# KiCad board ardumower mega shield svn.kicad_pcb (continued)
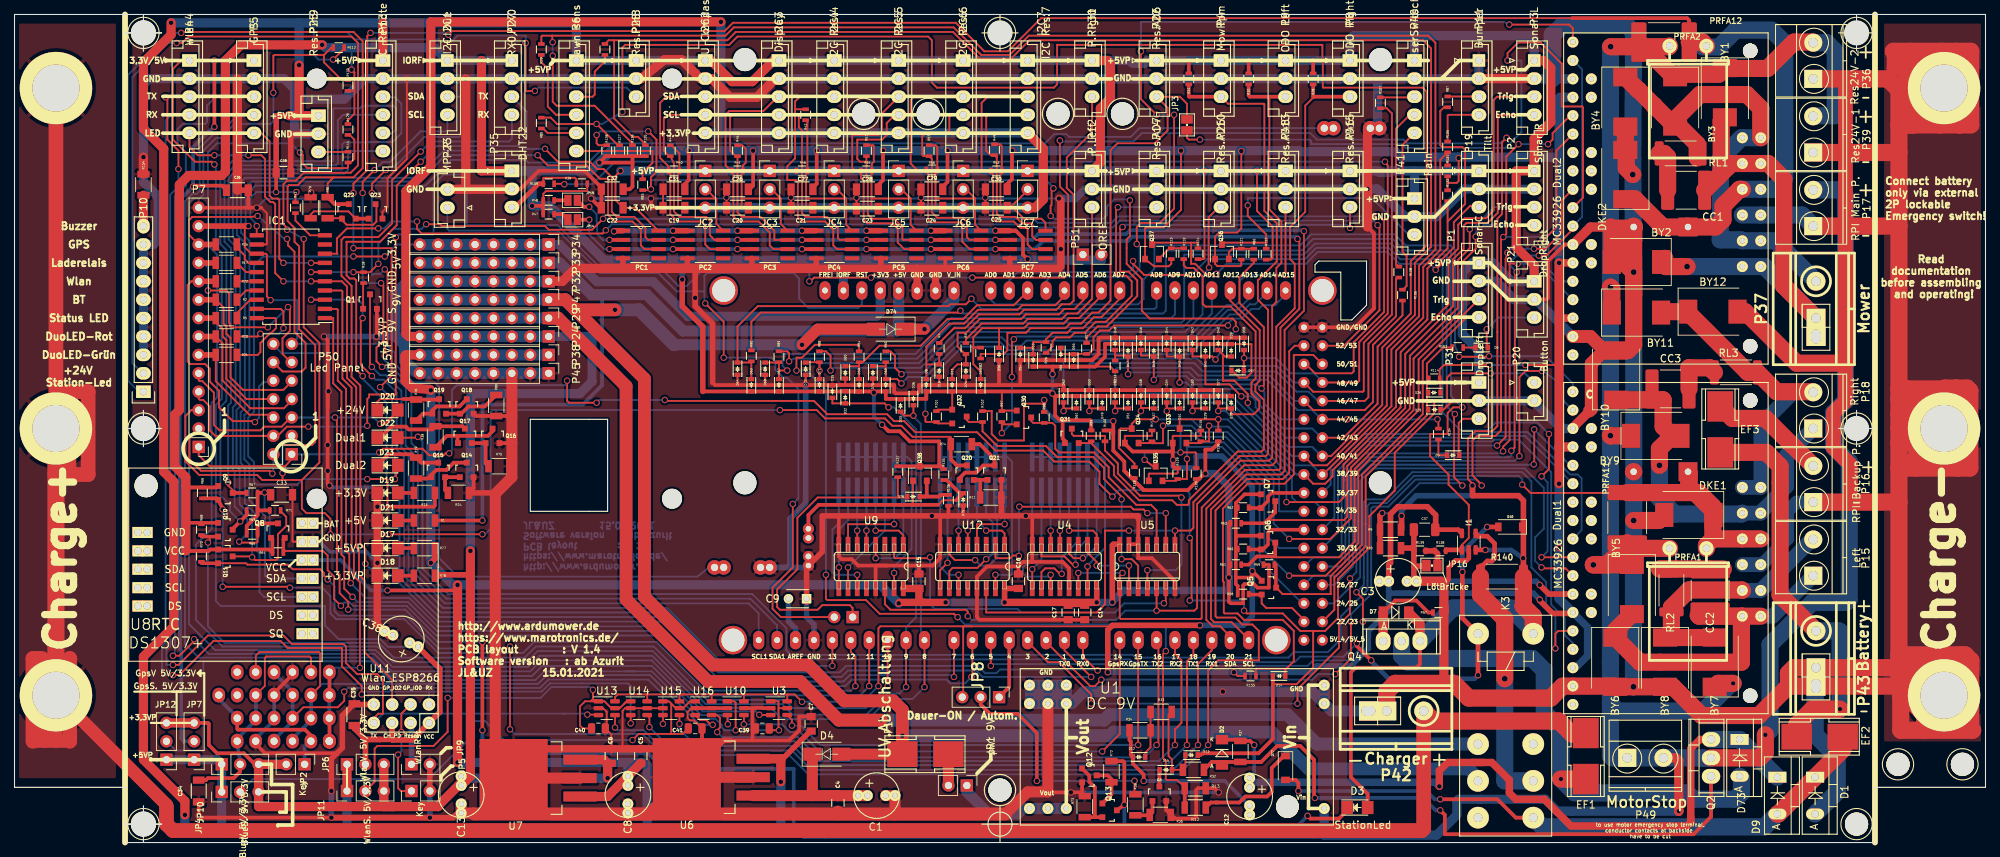
[diagram p0: board, top side]
## Routing (per net, layer and track width the routed paths; a pad name or vN(x,y) marks a point on that pad's centre or on a via; arc(x,y) is an arc through that point) (continued)
Net-(Dual2-Pad9): length 94.3
  Top w0.254: v1(205.87,107.95) 205.87,108.97 207.34,110.44 210.41,110.44 213.36,107.49 213.36,101.6 216.15,101.6 216.28,101.47 216.28,89.03 Dual2.9 ; v1(163.45,97.03) 161.93,97.03 161.67,97.28 JP3.2
  Bottom w0.254: v1(205.87,107.95) 207.77,107.95 207.77,98.04 205.61,95.88 191.77,95.88 191.26,96.39 178.82,96.39 178.82,96.77 178.56,97.03 v1(163.45,97.03)
Net-(EF2-Pad2): length 56.4
  Top w2.358: P43.2 243.46,34.16 243.46,51.94 241.55,53.85 EF3.1 ; v2(251.71,18.42) 247.9,18.42 245.75,16.26 EF2.2
  Bottom w2.358: P43.2 251.59,29.21 251.71,29.08 v2(251.71,18.42)
Net-(EF3-Pad2): length 16.2
  Top w2.358: EF3.2 236.86,58.55 241.43,58.55 245.11,54.86 245.16,54.86 P16.2
Net-(F1-Pad1): length 5.3
  Top w1.524: 129.03,12.45 F1.1 ; F1.1 JP1.2 ; F1.1 128.78,12.83
Net-(IC1-Pad10): length 5.9
  Top w0.254: R43.2 38.73,85.85 40.77,83.82 IC1.10
Net-(IC1-Pad13): length 277
  Top w0.254: 31.75,85.09 31.75,82.17 32.64,81.28 IC1.13 34.67,81.28 34.8,81.15 34.8,75.37 v1(35.31,74.87)
  Top w0.762: v1(32.26,85.09) P7.13
  Bottom w0.254: 38.39,68.68 P50.13 ; P50.13 38.99,69.6 38.99,74.87 v1(35.31,74.87) ; P50.13 51.18,68.83 52.45,67.56 52.45,66.04 54.99,63.5 57.98,63.5 58.55,62.93 58.55,39.24 61.09,36.7 94.17,36.7 95.76,37.97 SP2.2 ; v1(32.26,85.09) 31.88,85.47 31.88,89.34 33.21,90.68 56.64,90.68 60.2,94.23 70.48,94.23 70.87,93.85 79.12,93.85 81.79,96.52 142.11,96.52 143.38,97.79 145.03,97.79 145.42,97.41 153.92,97.41 155.12,98.6 SP1.2
  Bottom w1.016: SP2.2 SP2.2
  Bottom w1.27: 181.61,98.55 180.35,98.55
Net-(IC1-Pad14): length 4.3
  Top w0.254: R25.1 30.66,82.12 31.75,81.03 31.75,80.52 32.26,80.01 IC1.14
Net-(IC1-Pad15): length 3.3
  Top w0.254: R17.1 31.93,78.74 IC1.15
Net-(IC1-Pad16): length 2.7
  Top w0.254: IC1.16 R22.1
Net-(IC1-Pad17): length 3.3
  Top w0.254: R2.1 31.93,76.2 IC1.17
Net-(IC1-Pad18): length 3.3
  Top w0.254: 32.51,74.93 30.66,73.08 R5.1
Net-(IC1-Pad19): length 13.1
  Top w0.254: v1(33.91,70.23) 33.53,69.85 R20.1 ; v1(37.08,70.99) 37.08,73.28 36.7,73.66 IC1.19
  Bottom w0.254: v1(33.91,70.23) 36.45,70.23 37.08,70.87 v1(37.08,70.99)
Net-(IC1-Pad20): length 11.7
  Top w0.254: IC1.20 35.94,72.39 36.07,72.26 36.07,70.99 35.43,70.36 35.31,70.36 33.91,68.96 33.91,67.69 33.53,67.31 R21.1
Net-(JP1-Pad1): length 16.2
  Bottom w1.524: JP1.1 131.32,6.99 134.37,3.94 138.3,3.94 139.06,4.7 U1.2 U1.2 U1.2
Net-(JP2-Pad1): length 21.2
  Top w0.508: U2.Key 30.71,15.7 30.84,15.57 40.06,15.57 40.87,14.76 U2.Key ; 40.89,14.1 40.89,14.6
  Bottom w0.508: 30.73,17.27 28.19,19.81 28.19,20.45 ; 40.89,14.1 40,13.34 JP2.1
Net-(JP5-Pad1): length 14.9
  Top w0.254: v1(52.9,12.13) 52.9,7.49 53.28,7.11 JP5.1 ; v1(53.34,15.24) 53.34,17.78 U11.GP_0
  Bottom w0.254: 53.34,12.57 v1(52.9,12.13) 53.34,12.57 ; 53.34,12.57 v1(53.34,15.24)
Net-(JP8-Pad2): length 32.4
  Top w0.254: R36.2 154.43,6.78 v1(154.43,8.51)
  Top w0.48: 134.49,17.78 138.3,17.78 140.97,15.11 v1(140.97,8.51)
  Top w0.508: JP8.2 133.22,19.05 134.49,17.78
  Bottom w0.254: v1(140.97,8.51) v1(154.43,8.51)
Net-(JP9-Pad1): length 5.8
  Bottom w0.762: U11.Rese 54.74,16.38 JP9.1
Net-(JP14-Pad2): length 2.2
  Top w0.508: JP14.2 75.55,86.74 R47.2
Net-(JP15-Pad2): length 1.9
  Top w0.508: JP15.2 R48.2
Net-(JP16-Pad1): length 3.5
  Top w0.762: R139.1 R138.2 196.22,39.89 JP16.1
Net-(P5-Pad3): length 176.7
  Top w0.254: v1(21.84,25.78) 22.73,25.78 24.77,27.81 v1(24.77,28.07) ; v1(102.7,17.63) 102.74,17.59 U3.3
  Bottom w0.254: P5.3 27.77,102.95 26.54,101.73 26.54,99.48 26.26,99.2 23.19,99.2 22.48,98.49 22.48,96.39 23.62,95.25 23.62,90.68 22.1,89.15 22.1,26.03 v1(21.84,25.78) ; v1(24.77,28.07) 26.8,26.03 49.6,26.03 52.01,23.62 71.12,23.62 72.64,25.15 87.84,25.15 94.89,18.1 102.24,18.1 v1(102.7,17.63)
Net-(P5-Pad4): length 162.8
  Top w0.254: U10.3 98.3,16.38 v1(98.36,16.32)
  Bottom w0.254: 98.17,17.53 98.11,17.59 94.68,17.59 87.88,24.38 87.12,24.38 ; 98.17,17.53 98.36,17.34 v1(98.36,16.32) ; 98.17,17.53 97.09,17.53 ; 87.12,24.38 87.25,24.38 ; 87.12,24.38 72.77,24.38 71.37,22.99 51.93,22.99 49.39,25.53 25.4,25.53 23.5,27.43 23.5,88.52 24.51,89.53 25.15,89.53 25.53,89.92 25.53,95.88 27.56,97.92 28.32,97.92 30.85,100.45 P5.4
Net-(P10-Pad1): length 180.3
  Top w0.254: v1(22.99,111.76) 23.11,111.89 46.74,111.89 48.01,110.62 48.01,93.09 46.74,91.82 44.01,91.82 ; 26.16,57.15 P7.2 ; P7.2 24.13,55.88 24.13,52.9 25.72,51.31 35.18,51.31 v1(35.56,50.93) ; P7.2 26.04,57.15 ; 44.01,91.82 43.18,91 R81.1 ; 44.01,91.82 40.13,91.82 39.05,90.74 37.85,90.74 37.66,90.55 37.66,85.79 38.61,84.84 38.61,82.93 39.24,82.3 39.24,70.87 41.47,68.64 41.47,55.31 41.02,54.86 36.58,54.86 35.69,53.97 P50.2
  Top w0.508: R81.1 44.14,88.12 Q22.3
  Bottom w0.254: v1(35.56,50.93) 35.69,51.05 P50.2 ; v1(22.99,111.76) 21.46,111.76 15.62,105.92 15.62,63.75 17.14,62.23 P10.1
Net-(P10-Pad2): length 300.1
  Top w0.254: v1(22.35,110.36) 23.11,110.36 24,111.25 46.48,111.25 47.37,110.36 47.37,93.47 46.36,92.46 39.88,92.46 38.8,91.38 37.59,91.38 37.08,90.87 37.08,85.34 37.59,84.84 v1(37.59,84.58) ; v1(51.56,42.55) v1(64.52,42.55) ; v1(39.88,83.31) 39.88,71.12 42.04,68.96 42.04,52.45 39.62,50.04 ; P7.3 24.38,59.69 23.56,58.86 23.56,52.64 25.46,50.74 33.46,50.74 34.16,50.04 36.96,50.04 ; R74.1 129.11,55.93 129.03,56.01 123.83,56.01 122.3,57.53 121.03,57.53 120.02,58.55 111.76,58.55 110.62,59.69 v1(105.54,59.69) ; v1(36.96,50.99) 36.96,50.04 ; 36.96,50.04 39.62,50.04 ; 39.62,50.04 39.62,46.1 40.26,45.47 42.8,45.47 43.56,44.7 v1(43.56,42.55)
  Top w0.508: Q20.3 129.94,52.05 129.11,52.89 R74.1
  Bottom w0.254: v1(43.56,42.55) v1(51.56,42.55) ; v1(105.54,59.69) 65.91,59.69 65.66,59.44 65.66,43.31 64.9,42.55 v1(64.52,42.55) ; v1(36.96,50.99) 36.96,55.12 37.97,56.13 P50.3 ; v1(22.35,110.36) 20.96,110.36 16.26,105.66 16.26,66.17 17.65,64.77 P10.2 ; v1(39.88,83.31) v1(37.59,84.58)
Net-(P10-Pad10): length 4.3
  Top w1.27: 17.78,89.36 P10.10
Net-(P44-Pad3): length 157.1
  Top w0.254: U11.TX 49.53,17.14 50.17,17.78 50.8,17.78 50.8,22.48 50.04,23.24 47.24,23.24 45.72,24.77 45.72,27.05 45.38,27.39 38.27,27.39 37.08,28.58 26.67,28.58 22.61,24.51 v1(21.84,24.51) ; v1(22.61,92.96) 22.61,95.5 21.08,97.03 21.08,102.62 v1(20.83,102.87) ; v1(78.99,17.65) 80.46,17.65 U13.3
  Bottom w0.254: v1(20.83,102.87) 20.83,102.95 P44.3 ; U11.TX 50.8,17.78 75.82,17.78 ; v1(78.99,17.65) 78.87,17.78 75.82,17.78 ; 75.82,17.78 75.95,17.78 ; v1(22.61,92.96) 22.61,90.55 21.46,89.41 21.46,27.05 20.96,26.54 20.96,24.51 v1(21.84,24.51)
Net-(P44-Pad4): length 161
  Top w0.254: v1(84.96,16.45) 84.97,16.45 U14.3 ; v1(21.84,23.11) 22.73,23.11 27.43,27.81 36.7,27.81 37.67,26.85 45.1,26.85 45.15,26.8 45.15,24.32 47.88,21.59 v1(47.88,20.45)
  Bottom w0.254: P44.4 21.58,100.45 20.83,99.69 20.83,27.56 20.32,27.05 20.32,23.11 v1(21.84,23.11) ; 57.15,20.83 72.69,20.83 73.83,21.97 84.58,21.97 84.96,21.59 v1(84.96,16.45) ; 57.15,20.83 U11.RX ; 57.15,20.83 48.26,20.83 v1(47.88,20.45)
Net-(P50-Pad6): length 15.9
  Top w0.254: R21.2 27.76,63.68 32.39,59.06 34.92,59.06 P50.6 35.69,58.67
  Top w0.762: P7.6 R21.2
Net-(P50-Pad7): length 20.8
  Top w0.254: 38.73,61.47 38.73,61.21 ; R20.2 28.68,68.93 28.68,63.78 32.51,59.94 37.15,59.94 38.23,61.02 P50.7
  Top w0.762: P7.7 R20.2
Net-(P50-Pad8): length 19
  Top w0.254: R5.2 27.76,71.81 28.7,70.87 28.7,69.85 29.21,69.34 29.21,64.01 32,61.21 P50.8
  Top w0.762: P7.8 R5.2
Net-(P50-Pad9): length 23.9
  Top w0.254: R2.2 28.83,73.86 28.83,71.63 29.21,71.25 29.21,70.23 29.78,69.66 29.78,64.2 31.5,62.48 37.08,62.48 38.23,63.63 P50.9 38.23,63.5
  Top w0.762: P7.9 R2.2
Net-(P50-Pad10): length 37.1
  Top w0.254: v1(33.15,58.04) 33.02,58.17 30.1,58.17 28.19,60.07 28.19,62.36 26.92,63.63 26.92,65.41 26.29,66.04 24.26,66.04 23.88,66.42 23.88,76.96 24.38,77.47 P7.10
  Top w0.762: P7.10 R22.2
  Bottom w0.254: v1(33.15,58.04) 33.72,58.61 33.72,62.93 34.29,63.5 P50.10
Net-(P50-Pad11): length 32.7
  Top w0.254: v1(34.92,71.12) 29.85,71.12 29.72,71.25 29.72,71.63 29.59,71.75 29.59,75.82 29.21,76.2 v1(26.67,76.2) ; v1(37.72,73.91) 37.97,73.66 37.97,70.61 36.96,69.6 36.96,67.44 38.1,66.29 P50.11
  Top w0.762: P7.11 R17.2
  Bottom w0.254: v1(26.67,76.2) 26.67,79.38 26.04,80.01 P7.11 ; v1(34.92,71.12) v1(37.72,73.91)
Net-(P50-Pad12): length 45.6
  Top w0.254: v1(37.59,83.31) 37.72,83.19 37.72,82.42 38.61,81.53 38.61,70.48 40.13,68.96 40.13,65.53 39.62,65.02 36.96,65.02 P50.12 35.69,65.91 ; P7.12 24.07,83.88 24.07,85.92 24.51,86.36 32.64,86.36 v1(33.53,86.49)
  Top w0.762: P7.12 R25.2
  Bottom w0.254: v1(33.53,86.49) 37.21,83.31 v1(37.59,83.31)
Net-(Q1-Pad1): length 3.6
  Top w0.254: R18.2 48.07,77.17 Q1.1
Net-(Q3-Pad1): length 3.6
  Top w0.508: R35.1 156.49,3.76 R36.1 ; Q3.1 156.91,4.14
Net-(Q12-Pad1): length 10
  Top w0.254: 149.99,3.5 Q13.2
  Top w0.508: 147.65,3.37 147.57,3.44 ; 148.97,3.5 149.99,3.5 ; 148.97,3.5 148.97,7.62 148.21,8.38 148.21,9.22 Q12.1 ; 148.97,3.5 R73.1
Net-(Q12-Pad3): length 6.2
  Top w0.254: 149.24,9.24 Q12.3 ; 151.26,8.76 R72.2
  Top w0.508: 150,5.4 151.26,6.65 R72.2 ; 151.26,8.76 150.75,9.27 Q12.3
Net-(Q14-Pad1): length 4.4
  Top w0.508: R24.1 59.37,48.65 Q15.2 Q14.1
Net-(Q14-Pad3): length 8.1
  Top w0.254: Q15.1 57.55,50.43
  Top w0.508: Q14.3 60.56,52.43 59.56,51.44 58.17,51.44 57.47,50.74 Q15.1 56.77,50.24 R19.2
Net-(Q16-Pad1): length 5.3
  Top w0.254: Q16.1 64.96,55.18
  Top w0.508: R75.1 64.96,52.33 Q16.1 Q17.2
Net-(Q16-Pad3): length 10.2
  Top w0.254: 61.15,55.13 Q17.1 61.15,55.18
  Top w0.508: 61.09,56.13 65.28,56.13 65.91,56.77 Q16.3 ; 61.09,56.13 59.62,56.13 R38.2 ; 61.09,56.13 61.09,55.2 Q17.1
Net-(Q18-Pad1): length 8
  Top w0.254: Q18.1 61.41,59.25
  Top w0.508: R80.1 64.84,60.2 62.61,60.2 61.61,59.2 Q18.1 Q19.2
Net-(Q18-Pad3): length 9
  Top w0.254: Q19.1 57.6,59.38 ; 55.12,58.29 55.37,58.04 ; Q18.3 62.34,61.2
  Top w0.508: R76.2 56.33,59.2 Q19.1 57.6,59.63 58.17,60.2 61.36,60.2 Q18.3
Net-(Q20-Pad1): length 10.6
  Top w0.508: R74.2 133.1,54.99 135.13,52.96 Q21.3 133.59,52.05 132.59,51.05 131.06,51.05 130.37,50.36 Q20.1
Net-(Q20-Pad2): length 4.3
  Top w0.508: 133.17,50.05 Q21.1 ; 133.17,50.05 Q20.2 ; 133.17,50.05 R11.1
Net-(Q22-Pad1): length 10
  Top w0.254: Q23.3 49.91,87.99 49.91,85.72 49.47,85.28 45.78,85.28 45.15,85.91 Q22.1 45.09,86.18 R81.2
  Top w0.508: Q22.1 45.15,86.3
Net-(Q22-Pad2): length 9.1
  Top w0.254: Q22.2 46.05,87.12 41.28,87.12 40.83,86.68 R79.1
  Top w0.508: Q23.1 Q22.2
Net-(S1-Pad1): length 47
  Top w0.254: v1(147.32,39.24) 146.05,39.24 145.42,39.88 145.42,41.17 ; v1(147.96,38.1) U4.15
  Bottom w0.254: v1(147.96,38.1) 147.96,38.23 150.37,40.64 150.37,52.7 149.86,53.21 S1.16 ; v1(147.32,39.24) 147.32,38.99 149.23,40.89 149.23,47.73 ; S1.16 S1.15 S1.14 S1.12 S1.11 S1.10 S1.9 ; S1.16 S1.1
Net-(S1-Pad2): length 16.9
  Top w0.254: U4.7 141.61,39.5 144.78,39.5 145.92,38.35 v1(146.3,38.35)
  Bottom w0.254: v1(146.3,38.35) 146.3,40.26 147.96,41.91 147.96,47.73
Net-(S1-Pad3): length 17.2
  Top w0.254: U4.10 141.61,37.34 142.11,37.85 143.38,37.85 144.15,37.08 v1(144.4,37.08)
  Bottom w0.254: 146.69,47.73 146.69,41.66 144.4,39.37 v1(144.4,37.08)
Net-(S1-Pad4): length 10.1
  Top w0.254: U4.1 149.23,42.55 148.72,43.05 v1(145.42,43.05)
  Bottom w0.254: 145.42,47.73 v1(145.42,43.05)
Net-(S1-Pad5): length 6.6
  Top w0.254: v1(144.15,43.05) U4.5
  Bottom w0.254: 144.15,47.73 v1(144.15,43.05)
Net-(S1-Pad6): length 6.6
  Top w0.254: v1(142.88,43.05) U4.6
  Bottom w0.254: 142.88,47.73 v1(142.88,43.05)
Net-(S1-Pad7): length 14.9
  Top w0.254: v1(140.34,37.72) U4.9
  Bottom w0.254: 141.61,46.74 141.61,47.73 ; v1(140.34,37.72) 141.61,38.99 S1.7
Net-(S1-Pad8): length 17.8
  Top w0.254: v1(142.88,36.96) U4.11
  Bottom w0.254: v1(142.88,36.96) 142.62,36.7 139.45,36.7 139.06,37.08 139.06,37.97 140.34,39.24 S1.8
Net-(S2-Pad1): length 47.2
  Top w0.254: v1(118.74,39.24) U9.4 ; U9.15 v1(121.29,37.21)
  Bottom w0.254: v1(121.29,37.21) 121.29,38.1 123.7,40.51 123.7,52.6 123.09,53.21 S2.16 ; v1(118.74,39.24) 121.41,39.24 122.55,40.39 122.55,47.73 ; S2.16 S2.15 S2.14 S2.13 S2.12 S2.11 S2.10 113.66,53.21 ; S2.16 S2.1
Net-(S2-Pad2): length 13.1
  Top w0.254: 115.06,41.3 U9.7 114.94,43.94 v1(121.29,43.94)
  Bottom w0.254: v1(121.29,43.94) 121.29,47.73
Net-(S2-Pad3): length 14.8
  Top w0.254: v1(114.94,37.97) U9.10
  Bottom w0.254: 120.02,47.73 120.02,43.05 v1(114.94,37.97)
Net-(S2-Pad4): length 10
  Top w0.254: U9.1 122.55,42.42 121.92,43.05 v1(118.74,43.05)
  Bottom w0.254: v1(118.74,43.05) 118.74,47.73
Net-(S2-Pad5): length 6.6
  Top w0.254: U9.5 v1(117.48,43.05)
  Bottom w0.254: v1(117.48,43.05) 117.48,47.73
Net-(S2-Pad6): length 6.6
  Top w0.254: U9.6 v1(116.2,43.05)
  Bottom w0.254: v1(116.2,43.05) 116.2,47.73
Net-(S2-Pad7): length 14.9
  Top w0.254: v1(113.66,37.97) 113.66,35.03
  Bottom w0.254: 114.94,46.74 114.94,47.73 ; v1(113.66,37.97) 113.66,43.18 114.94,44.45 S2.7
Net-(S2-Pad8): length 16.9
  Top w0.254: U9.11 v1(116.2,36.96)
  Bottom w0.254: v1(116.2,36.96) 113.16,36.96 112.78,37.34 112.78,43.18 113.66,44.07 113.66,48.39
Net-(S3-Pad1): length 45.8
  Top w0.254: v1(136.53,43.94) 132.72,43.94 U12.4 ; U12.15 v1(135.26,36.96)
  Bottom w0.254: v1(135.26,36.96) 137.41,36.96 137.54,37.08 137.54,52.58 136.91,53.21 S3.16 ; S3.16 S3.15 S3.14 S3.13 S3.12 S3.11 S3.10 S3.9 ; S3.16 S3.1 v1(136.53,43.94)
Net-(S3-Pad2): length 17.6
  Top w0.254: v1(132.46,38.99) 129.67,38.99 128.91,39.75 U12.7
  Bottom w0.254: v1(132.46,38.99) 133.22,38.23 134.37,38.23 135.51,39.37 135.51,44.58 135.26,44.83 135.26,47.73
Net-(S3-Pad3): length 17.6
  Top w0.254: U12.10 128.91,37.47 129.35,37.91 132.78,37.91 v1(133.99,39.12)
  Bottom w0.254: v1(133.99,39.12) 134.11,39.12 134.87,39.88 134.87,44.2 133.99,45.09 133.99,47.73
Net-(S3-Pad4): length 9.3
  Top w0.254: U12.1 136.53,42.67 136.14,43.05 v1(133.99,43.05)
  Bottom w0.254: v1(133.99,43.05) 132.72,44.58 132.72,47.73
Net-(S3-Pad5): length 6.6
  Top w0.254: U12.5 v1(131.45,43.05)
  Bottom w0.254: v1(131.45,43.05) 131.45,47.73
Net-(S3-Pad6): length 6.6
  Top w0.254: U12.6 v1(130.18,43.05)
  Bottom w0.254: v1(130.18,43.05) 130.18,47.73
Net-(S3-Pad7): length 13.2
  Top w0.254: v1(128.65,38.61) 127.64,37.59 U12.9
  Bottom w0.254: v1(128.65,38.61) 128.65,46.23 128.91,46.48 128.91,47.73
Net-(S3-Pad8): length 15.2
  Top w0.254: v1(130.18,36.96) U12.11
  Bottom w0.254: S3.8 127.64,38.1 128.78,36.96 v1(130.18,36.96)
Net-(U4-Pad2): length 11.1
  Top w0.254: U4.2 147.96,40 149.23,38.73 v1(149.23,38.23) ; U5.2 v1(153.67,38.23)
  Bottom w0.254: v1(153.67,38.23) v1(149.23,38.23)
Net-(U5-Pad6): length 48.9
  Top w0.254: U9.2 121.29,39.37 121.41,39.24 125.98,39.24 126.24,39.5 v1(126.24,39.37) ; v1(158.5,33.02) 158.75,33.27 U5.6
  Bottom w0.254: v1(158.5,33.02) 153.04,33.02 151.77,31.75 138.81,31.75 138.3,32.26 126.87,32.26 126.24,32.89 v1(126.24,39.37)
Net-(U8-Pad6): length 1.5
  Bottom w1.016: 41.02,31.37 39.52,31.37
Net-(U8-Pad7): length 1.5
  Bottom w1.016: 41.02,28.83 39.52,28.83
Net-(U12-Pad2): length 37
  Top w0.254: U12.2 135.26,39.37 135.38,39.24 137.29,39.24 137.67,39.62 138.43,39.62 v1(138.49,39.56) ; v1(156.21,45.47) 155.7,45.97 154.31,45.97 153.92,46.36 v1(138.56,46.36) ; v1(158.75,45.47) U5.9
  Bottom w0.254: v1(138.56,46.36) 138.49,46.29 v1(138.49,39.56) ; v1(156.21,45.47) v1(158.75,45.47)
Net-(U15-Pad3): length 72.3
  Top w0.254: v1(45.47,20.83) 45.47,19.56 44.58,18.67 39.83,18.67 U2.TXD ; U15.3 89.41,16.26 v1(89.41,16.38)
  Bottom w0.254: 38.35,21.08 38.35,20.45 ; v1(45.47,20.83) 45.97,21.34 72.48,21.34 73.62,22.48 87.38,22.48 89.41,20.45 v1(89.41,16.38)
  Bottom w0.508: 35.81,23.62 35.81,23.37 38.35,20.83 38.35,17.27 ; 35.81,14.1 35.81,14.22 38.35,16.76 38.35,16.64
Net-(U16-Pad3): length 87.3
  Top w0.254: 33.27,23.62 33.27,25.81 33.76,26.29 41.96,26.29 42.14,26.11 42.14,21.62 U2.RXD ; U16.3 94.54,16.91 95.36,16.91 96.27,16 v1(96.27,16.26)
  Bottom w0.254: v1(96.27,16.26) 94.49,16.26 87.63,23.11 73.41,23.11 72.2,21.91 42.43,21.91 U2.RXD
  Bottom w0.508: 40.89,16.89 38.35,14.35 38.35,14.1 ; 40.89,20.45 40.89,17.27

## Copper pours and planes (outline as drawn; the poured copper is in the pictures)
GND on Top: 271.15,13.97 257.81,13.97 257.81,113.03 271.15,113.03
GND on Top: 184.4,1.02 177.8,1.27 16.26,1.02 16.26,113.79 213.36,113.79 213.36,50.29 193.8,50.55 184.66,41.28
GND on Bottom: 213.36,50.29 193.55,50.29 184.4,41.02 184.4,1.02 16.26,1.02 16.26,113.79 213.36,113.79
Charg_Pin_+ on Top: 13.97,8.89 0.64,8.89 0.64,113.03 13.97,113.03

## Text on the board
Bottom: http://www.ardumower.de / https://www.marotronics.de/ / PCB layout        : V 1.4 / Software version   : ab Azurit / JL&UZ         15.01.2021
B.Silkscreen: to use motor emergency stop terminal, / the conductor path must be cut here | SCL1 | SDA1 | AREF | GND | FREI | 13 | IORF | 12 | RST | 11 | +3V3 | 10 | +5V | 9 | 8 | V_IN | 7 | 6 | AD0 | 5 | AD1 | 4 | AD2 | 3 | AD3 | 2 | 1 / TX0 | AD4 | AD5 | 0 / RX0 | AD6 | 14 / GpsRX | AD7 | 15 / GpsTX | AD8 | 16 / TX2 | AD9 | 17 / RX2 | AD10 | 18 / TX1 | AD11 | 19 / RX1 | 20 / SDA | AD12 | 21 / SCL | AD13 | AD14 | AD15 | 31/30 | 53/52 | 35/34 | 33/32 | 51/50 | 49/48 | 47/46 | 45/44 | 43/42 | 41/40 | 39/38 | 37/36 | 5V_5/5V_4 | 29/28 | 27/26 | 25/24 | 23/22 | GND/GND | Echo | +5VP | Trig | P31 | P1 | P11 | Sonar C | Bumper | DropLeft | P21 | P2 | P3 | Sonar L | Sonar R | DropRight | dip switch counter / counter / 1 = X/2  --- 5 = X/6 / 2 = X/3  --- 6 = X/7 / 3 = X/4  --- 7 = X/8 / 4 = X/5  --- 8 = X/9 | -----Attention ----- / jumper JP13 may be used / for arduino due only | http://www.ardumower.de / https://www.marotronics.de/ / PCB layout        : V 1.4 / Software version   : ab Azurit / JL&UZ         15.01.2021 | only one switch / set to ON / per dip switch
User.Eco1: Pin1
F.Silkscreen: to use motor emergency stop terminal, / conductor contacts at backside / have to be cut | SCL1 | SDA1 | AREF | GND | FREI | 13 | IORF | 12 | RST | 11 | +3V3 | 10 | +5V | 9 | 8 | V_IN | 7 | 6 | AD0 | 5 | AD1 | 4 | AD2 | 3 | AD3 | 2 | AD4 | 1 / TX0 | AD5 | 0 / RX0 | AD6 | 14 / GpsRX | AD7 | 15 / GpsTX | AD8 | 16 / TX2 | AD9 | 17 / RX2 | AD10 | 18 / TX1 | AD11 | 19 / RX1 | 20 / SDA | AD12 | 21 / SCL | AD13 | AD14 | AD15 | 52/53 | 34/35 | 32/33 | 50/51 | 48/49 | 46/47 | 44/45 | 42/43 | 40/41 | 38/39 | 36/37 | 30/31 | 26/27 | 24/25 | 22/23 | 5V_4/5V_5 | GND/GND | +3,3VP | +5VP | LötBrücke | 3,3V/5V | TX | RX | LED | SDA | SCL | Trig | Echo | http://www.ardumower.de / https://www.marotronics.de/ / PCB layout        : V 1.4 / Software version   : ab Azurit / JL&UZ         15.01.2021 | Connect battery / only via external / 2P lockable / Emergency switch! | +24V | Buzzer | GPS | Laderelais | Wlan | BT | Status LED | DuoLED-Rot | DuoLED-Grün | Station-Led | 1 | Dauer-ON / Autom. | C | - | Read / documentation / before assembling / and operating! | Vout | Vin | + | Charge+ | Charge-
